# KiCad board TEST_PANEL.kicad_pcb (continued)
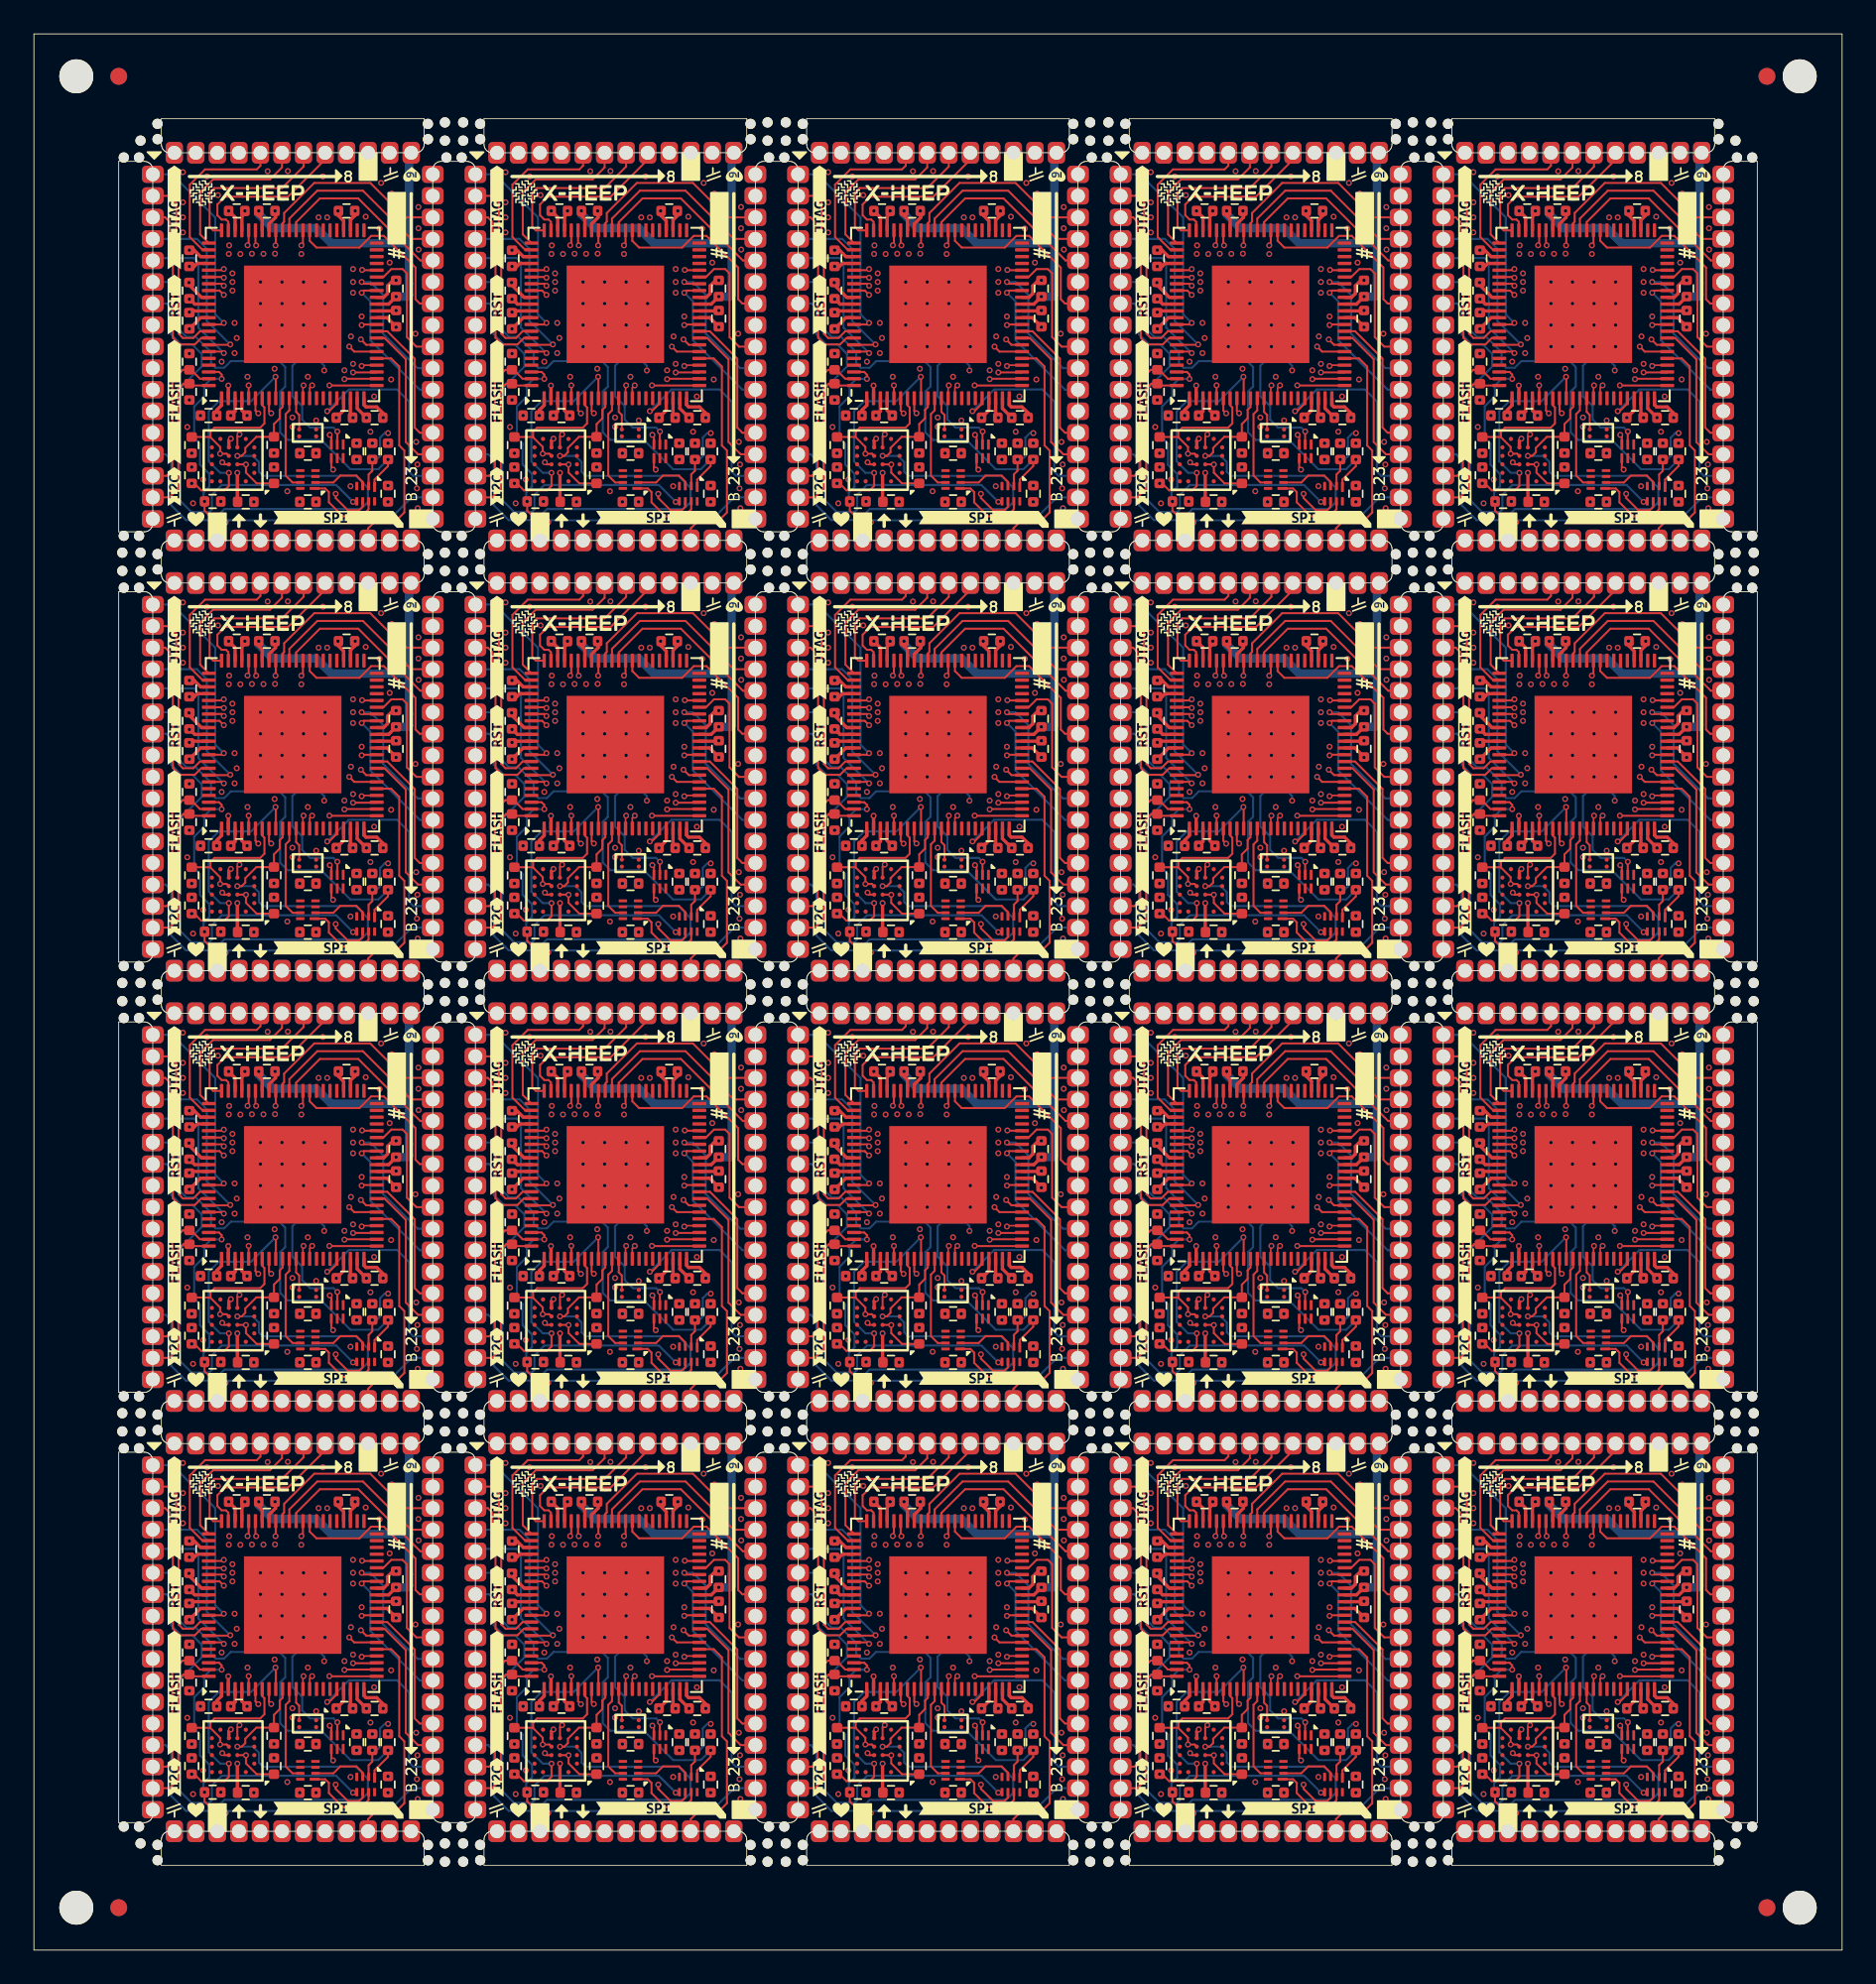
[diagram p0: board, top side]
## Routing (per net, layer and track width the routed paths; a pad name or vN(x,y) marks a point on that pad's centre or on a via; arc(x,y) is an arc through that point) (continued)
Board_15-SPI_SD2_HEEP: length 262
  Top w0.12: U81.25 39.21,93.03 v1(37.84,93.03) ; v1(94.92,16.91) 96.29,16.91 U21.25 ; v1(75.9,16.91) 77.26,16.91 U16.25 ; v1(37.84,16.91) 39.21,16.91 U6.25 ; U76.25 20.18,93.03 v1(18.82,93.03) ; v1(94.92,42.28) 96.29,42.28 U46.25 ; U36.25 58.24,42.28 v1(56.87,42.28) ; U66.25 77.26,67.66 v1(75.9,67.66) ; U11.25 58.24,16.91 v1(56.87,16.91) ; v1(37.84,42.28) 39.21,42.28 U31.25 ; U91.25 77.26,93.03 v1(75.9,93.03) ; v1(56.87,67.66) 58.24,67.66 U61.25 ; U71.25 96.29,67.66 v1(94.92,67.66) ; U96.25 96.29,93.03 v1(94.92,93.03) ; v1(18.82,42.28) 20.18,42.28 U26.25 ; v1(75.9,42.28) 77.26,42.28 U41.25 ; U86.25 58.24,93.03 v1(56.87,93.03) ; U51.25 20.18,67.66 v1(18.82,67.66) ; v1(18.82,16.91) 20.18,16.91 U1.25 ; v1(37.84,67.66) 39.21,67.66 U56.25
  In3.Cu w0.12: J15.25 93.27,58.45 94.22,59.4 95.3,59.4 95.5,59.6 95.5,64.02 95.3,64.22 95.3,66.87 94.92,67.25 v1(94.92,67.66) ; v1(94.92,93.03) 94.92,92.62 95.3,92.24 95.3,89.59 95.5,89.4 95.5,84.97 95.3,84.77 94.22,84.77 93.27,83.82 J20.25 ; J9.25 74.25,33.08 75.2,34.03 76.27,34.03 76.47,34.23 76.47,38.65 76.28,38.85 76.28,41.5 75.9,41.88 v1(75.9,42.28) ; J13.25 55.22,58.45 56.17,59.4 57.25,59.4 57.45,59.6 57.45,64.02 57.25,64.22 57.25,66.87 56.87,67.25 v1(56.87,67.66) ; v1(75.9,67.66) 75.9,67.25 76.28,66.87 76.28,64.22 76.47,64.02 76.47,59.6 76.27,59.4 75.2,59.4 74.25,58.45 J14.25 ; v1(75.9,93.03) 75.9,92.62 76.28,92.24 76.28,89.59 76.47,89.4 76.47,84.97 76.27,84.77 75.2,84.77 74.25,83.82 J19.25 ; J16.25 17.17,83.82 18.12,84.77 19.19,84.77 19.39,84.97 19.39,89.4 19.2,89.59 19.2,92.24 18.82,92.62 v1(18.82,93.03) ; J10.25 93.27,33.08 94.22,34.03 95.3,34.03 95.5,34.23 95.5,38.65 95.3,38.85 95.3,41.5 94.92,41.88 v1(94.92,42.28) ; v1(56.87,93.03) 56.87,92.62 57.25,92.24 57.25,89.59 57.45,89.4 57.45,84.97 57.25,84.77 56.17,84.77 55.22,83.82 J18.25 ; v1(56.87,42.28) 56.87,41.88 57.25,41.5 57.25,38.85 57.45,38.65 57.45,34.23 57.25,34.03 56.17,34.03 55.22,33.08 J8.25 ; J12.25 36.19,58.45 37.14,59.4 38.22,59.4 38.42,59.6 38.42,64.02 38.23,64.22 38.23,66.87 37.84,67.25 v1(37.84,67.66) ; J3.25 55.22,7.71 56.17,8.66 57.25,8.66 57.45,8.86 57.45,13.28 57.25,13.48 57.25,16.12 56.87,16.51 v1(56.87,16.91) ; J2.25 36.19,7.71 37.14,8.66 38.22,8.66 38.42,8.86 38.42,13.28 38.23,13.48 38.23,16.12 37.84,16.51 v1(37.84,16.91) ; v1(18.82,42.28) 18.82,41.88 19.2,41.5 19.2,38.85 19.39,38.65 19.39,34.23 19.19,34.03 18.12,34.03 17.17,33.08 J6.25 ; v1(94.92,16.91) 94.92,16.51 95.3,16.12 95.3,13.48 95.5,13.28 95.5,8.86 95.3,8.66 94.22,8.66 93.27,7.71 J5.25 ; v1(18.82,16.91) 18.82,16.51 19.2,16.12 19.2,13.48 19.39,13.28 19.39,8.86 19.19,8.66 18.12,8.66 17.17,7.71 J1.25 ; J7.25 36.19,33.08 37.14,34.03 38.22,34.03 38.42,34.23 38.42,38.65 38.23,38.85 38.23,41.5 37.84,41.88 v1(37.84,42.28) ; v1(18.82,67.66) 18.82,67.25 19.2,66.87 19.2,64.22 19.39,64.02 19.39,59.6 19.19,59.4 18.12,59.4 17.17,58.45 J11.25 ; v1(75.9,16.91) 75.9,16.51 76.28,16.12 76.28,13.48 76.47,13.28 76.47,8.86 76.27,8.66 75.2,8.66 74.25,7.71 J4.25 ; v1(37.84,93.03) 37.84,92.62 38.23,92.24 38.23,89.59 38.42,89.4 38.42,84.97 38.22,84.77 37.14,84.77 36.19,83.82 J17.25
Board_15-SPI_SD3_HEEP: length 263.7
  Top w0.1: U46.26 95.48,42.71 v1(95.43,42.67) ; v1(76.41,68.04) 76.45,68.08 U66.26 ; U31.26 38.4,42.71 v1(38.35,42.67) ; U41.26 76.45,42.71 v1(76.41,42.67) ; U21.26 95.48,17.34 v1(95.43,17.29) ; U96.26 95.48,93.46 v1(95.43,93.41) ; v1(57.38,68.04) 57.43,68.08 U61.26 ; v1(38.35,93.41) 38.4,93.46 U81.26 ; v1(57.38,42.67) 57.43,42.71 U36.26 ; U11.26 57.43,17.34 v1(57.38,17.29) ; v1(19.33,68.04) 19.38,68.08 U51.26 ; U76.26 19.38,93.46 v1(19.33,93.41) ; U71.26 95.48,68.08 v1(95.43,68.04) ; v1(57.38,93.41) 57.43,93.46 U86.26 ; U16.26 76.45,17.34 v1(76.41,17.29) ; U1.26 19.38,17.34 v1(19.33,17.29) ; v1(19.33,42.67) 19.38,42.71 U26.26 ; v1(38.35,68.04) 38.4,68.08 U56.26 ; v1(38.35,17.29) 38.4,17.34 U6.26 ; U91.26 76.45,93.46 v1(76.41,93.41)
  In3.Cu w0.12: J7.26 37.46,33.27 37.72,33.53 38.55,33.53 39.39,34.37 39.39,38.92 39.26,39.05 39.26,39.77 39.29,39.79 39.29,39.92 38.68,40.53 38.68,41.34 39,41.65 39,42.02 v1(38.35,42.67) ; 75.52,32.38 75.52,33.27 75.77,33.53 76.6,33.53 77.44,34.37 77.44,38.92 77.31,39.05 77.31,39.77 77.34,39.79 77.34,39.92 76.73,40.53 76.73,41.34 77.05,41.65 77.05,42.02 v1(76.41,42.67) ; v1(57.38,42.67) 58.02,42.02 58.02,41.65 57.71,41.34 57.71,40.53 58.32,39.92 58.32,39.79 58.29,39.77 58.29,39.05 58.42,38.92 58.42,34.37 57.57,33.53 56.75,33.53 56.49,33.27 J8.26 ; J3.26 56.49,7.9 56.75,8.16 57.57,8.16 58.42,9 58.42,13.55 58.29,13.67 58.29,14.4 58.32,14.42 58.32,14.55 57.71,15.16 57.71,15.97 58.02,16.28 58.02,16.65 v1(57.38,17.29) ; v1(38.35,68.04) 39,67.39 39,67.02 38.68,66.71 38.68,65.9 39.29,65.29 39.29,65.17 39.26,65.14 39.26,64.42 39.39,64.29 39.39,59.74 38.55,58.9 37.72,58.9 37.46,58.64 J12.26 ; v1(76.41,17.29) 77.05,16.65 77.05,16.28 76.73,15.97 76.73,15.16 77.34,14.55 77.34,14.42 77.31,14.4 77.31,13.67 77.44,13.55 77.44,9 76.6,8.16 75.77,8.16 75.52,7.9 75.52,7.01 ; v1(57.38,68.04) 58.02,67.39 58.02,67.02 57.71,66.71 57.71,65.9 58.32,65.29 58.32,65.17 58.29,65.14 58.29,64.42 58.42,64.29 58.42,59.74 57.57,58.9 56.75,58.9 56.49,58.64 J13.26 ; 75.52,57.75 75.52,58.64 75.77,58.9 76.6,58.9 77.44,59.74 77.44,64.29 77.31,64.42 77.31,65.14 77.34,65.17 77.34,65.29 76.73,65.9 76.73,66.71 77.05,67.02 77.05,67.39 v1(76.41,68.04) ; v1(57.38,93.41) 58.02,92.77 58.02,92.4 57.71,92.08 57.71,91.27 58.32,90.66 58.32,90.54 58.29,90.51 58.29,89.79 58.42,89.66 58.42,85.12 57.57,84.27 56.75,84.27 56.49,84.01 J18.26 ; v1(19.33,17.29) 19.97,16.65 19.97,16.28 19.65,15.97 19.65,15.16 20.26,14.55 20.26,14.42 20.24,14.4 20.24,13.67 20.36,13.55 20.36,9 19.52,8.16 18.69,8.16 18.44,7.9 18.44,7.01 ; v1(95.43,17.29) 96.07,16.65 96.07,16.28 95.76,15.97 95.76,15.16 96.37,14.55 96.37,14.42 96.34,14.4 96.34,13.67 96.47,13.55 96.47,9 95.62,8.16 94.8,8.16 94.54,7.9 J5.26 ; J20.26 94.54,84.01 94.8,84.27 95.62,84.27 96.47,85.12 96.47,89.66 96.34,89.79 96.34,90.51 96.37,90.54 96.37,90.66 95.76,91.27 95.76,92.08 96.07,92.4 96.07,92.77 v1(95.43,93.41) ; v1(38.35,93.41) 39,92.77 39,92.4 38.68,92.08 38.68,91.27 39.29,90.66 39.29,90.54 39.26,90.51 39.26,89.79 39.39,89.66 39.39,85.12 38.55,84.27 37.72,84.27 37.46,84.01 J17.26 ; J15.26 94.54,58.64 94.8,58.9 95.62,58.9 96.47,59.74 96.47,64.29 96.34,64.42 96.34,65.14 96.37,65.17 96.37,65.29 95.76,65.9 95.76,66.71 96.07,67.02 96.07,67.39 v1(95.43,68.04) ; J10.26 94.54,33.27 94.8,33.53 95.62,33.53 96.47,34.37 96.47,38.92 96.34,39.05 96.34,39.77 96.37,39.79 96.37,39.92 95.76,40.53 95.76,41.34 96.07,41.65 96.07,42.02 v1(95.43,42.67) ; 18.44,32.38 18.44,33.27 18.69,33.53 19.52,33.53 20.36,34.37 20.36,38.92 20.24,39.05 20.24,39.77 20.26,39.79 20.26,39.92 19.65,40.53 19.65,41.34 19.97,41.65 19.97,42.02 v1(19.33,42.67) ; 18.44,57.75 18.44,58.64 18.69,58.9 19.52,58.9 20.36,59.74 20.36,64.29 20.24,64.42 20.24,65.14 20.26,65.17 20.26,65.29 19.65,65.9 19.65,66.71 19.97,67.02 19.97,67.39 v1(19.33,68.04) ; v1(76.41,93.41) 77.05,92.77 77.05,92.4 76.73,92.08 76.73,91.27 77.34,90.66 77.34,90.54 77.31,90.51 77.31,89.79 77.44,89.66 77.44,85.12 76.6,84.27 75.77,84.27 75.52,84.01 75.52,83.12 ; v1(19.33,93.41) 19.97,92.77 19.97,92.4 19.65,92.08 19.65,91.27 20.26,90.66 20.26,90.54 20.24,90.51 20.24,89.79 20.36,89.66 20.36,85.12 19.52,84.27 18.69,84.27 18.44,84.01 18.44,83.12 ; J2.26 37.46,7.9 37.72,8.16 38.55,8.16 39.39,9 39.39,13.55 39.26,13.67 39.26,14.4 39.29,14.42 39.29,14.55 38.68,15.16 38.68,15.97 39,16.28 39,16.65 v1(38.35,17.29)
Board_15-UART_RX_HEEP: length 229.9
  Top w0.1: U31.13 34.89,41.49 v1(34.92,41.52) ; v1(34.92,66.89) 34.89,66.86 U56.13 ; v1(15.9,41.52) 15.86,41.49 U26.13 ; v1(15.9,92.26) 15.86,92.23 U76.13 ; v1(53.95,16.15) 53.91,16.12 U11.13 ; U66.13 72.94,66.86 v1(72.98,66.89) ; U16.13 72.94,16.12 v1(72.98,16.15) ; U96.13 91.97,92.23 v1(92,92.26) ; U1.13 15.86,16.12 v1(15.9,16.15) ; U46.13 91.97,41.49 v1(92,41.52) ; U81.13 34.89,92.23 v1(34.92,92.26) ; U71.13 91.97,66.86 v1(92,66.89) ; v1(53.95,66.89) 53.91,66.86 U61.13 ; v1(92,16.15) 91.97,16.12 U21.13 ; U36.13 53.91,41.49 v1(53.95,41.52) ; v1(72.98,92.26) 72.94,92.23 U91.13 ; U6.13 34.89,16.12 v1(34.92,16.15) ; v1(15.9,66.89) 15.86,66.86 U51.13 ; U86.13 53.91,92.23 v1(53.95,92.26) ; v1(72.98,41.52) 72.94,41.49 U41.13
  In3.Cu w0.12: v1(15.9,66.89) 15.67,66.66 15.67,63.95 14.97,63.25 14.97,61.51 13.57,60.11 13.57,59.72 12.09,58.24 J11.21 ; v1(15.9,16.15) 15.67,15.92 15.67,13.21 14.97,12.51 14.97,10.77 13.57,9.37 13.57,8.98 12.09,7.5 J1.21 ; v1(34.92,66.89) 34.69,66.66 34.69,63.95 34,63.25 34,61.51 32.59,60.11 32.59,59.72 31.11,58.24 J12.21 ; J19.21 69.17,83.61 70.65,85.1 70.65,85.48 72.05,86.88 72.05,88.62 72.75,89.32 72.75,92.04 v1(72.98,92.26) ; v1(72.98,41.52) 72.75,41.29 72.75,38.58 72.05,37.88 72.05,36.14 70.65,34.74 70.65,34.35 69.17,32.87 J9.21 ; J14.21 69.17,58.24 70.65,59.72 70.65,60.11 72.05,61.51 72.05,63.25 72.75,63.95 72.75,66.66 v1(72.98,66.89) ; J18.21 50.14,83.61 51.62,85.1 51.62,85.48 53.02,86.88 53.02,88.62 53.72,89.32 53.72,92.04 v1(53.95,92.26) ; J4.21 69.17,7.5 70.65,8.98 70.65,9.37 72.05,10.77 72.05,12.51 72.75,13.21 72.75,15.92 v1(72.98,16.15) ; J8.21 50.14,32.87 51.62,34.35 51.62,34.74 53.02,36.14 53.02,37.88 53.72,38.58 53.72,41.29 v1(53.95,41.52) ; v1(92,16.15) 91.77,15.92 91.77,13.21 91.07,12.51 91.07,10.77 89.67,9.37 89.67,8.98 88.19,7.5 J5.21 ; v1(34.92,41.52) 34.69,41.29 34.69,38.58 34,37.88 34,36.14 32.59,34.74 32.59,34.35 31.11,32.87 J7.21 ; J2.21 31.11,7.5 32.59,8.98 32.59,9.37 34,10.77 34,12.51 34.69,13.21 34.69,15.92 v1(34.92,16.15) ; J3.21 50.14,7.5 51.62,8.98 51.62,9.37 53.02,10.77 53.02,12.51 53.72,13.21 53.72,15.92 v1(53.95,16.15) ; J17.21 31.11,83.61 32.59,85.1 32.59,85.48 34,86.88 34,88.62 34.69,89.32 34.69,92.04 v1(34.92,92.26) ; J13.21 50.14,58.24 51.62,59.72 51.62,60.11 53.02,61.51 53.02,63.25 53.72,63.95 53.72,66.66 v1(53.95,66.89) ; v1(15.9,92.26) 15.67,92.04 15.67,89.32 14.97,88.62 14.97,86.88 13.57,85.48 13.57,85.1 12.09,83.61 J16.21 ; J15.21 88.19,58.24 89.67,59.72 89.67,60.11 91.07,61.51 91.07,63.25 91.77,63.95 91.77,66.66 v1(92,66.89) ; v1(92,41.52) 91.77,41.29 91.77,38.58 91.07,37.88 91.07,36.14 89.67,34.74 89.67,34.35 88.19,32.87 J10.21 ; v1(92,92.26) 91.77,92.04 91.77,89.32 91.07,88.62 91.07,86.88 89.67,85.48 89.67,85.1 88.19,83.61 J20.21 ; v1(15.9,41.52) 15.67,41.29 15.67,38.58 14.97,37.88 14.97,36.14 13.57,34.74 13.57,34.35 12.09,32.87 J6.21
Board_15-UART_TX_HEEP: length 224.5
  Top w0.1: U71.14 92.37,66.75 v1(92.51,66.89) ; v1(92.51,41.52) 92.37,41.38 U46.14 ; v1(54.46,92.26) 54.31,92.12 U86.14 ; v1(35.43,16.15) 35.29,16.01 U6.14 ; U11.14 54.31,16.01 v1(54.46,16.15) ; U56.14 35.29,66.75 v1(35.43,66.89) ; U81.14 35.29,92.12 v1(35.43,92.26) ; v1(73.48,66.89) 73.34,66.75 U66.14 ; U21.14 92.37,16.01 v1(92.51,16.15) ; v1(73.48,16.15) 73.34,16.01 U16.14 ; v1(35.43,41.52) 35.29,41.38 U31.14 ; U61.14 54.31,66.75 v1(54.46,66.89) ; v1(16.41,66.89) 16.26,66.75 U51.14 ; v1(73.48,41.52) 73.34,41.38 U41.14 ; v1(54.46,41.52) 54.31,41.38 U36.14 ; U76.14 16.26,92.12 v1(16.41,92.26) ; U1.14 16.26,16.01 v1(16.41,16.15) ; v1(92.51,92.26) 92.37,92.12 U96.14 ; U91.14 73.34,92.12 v1(73.48,92.26) ; v1(16.41,41.52) 16.26,41.38 U26.14
  In3.Cu w0.12: v1(35.43,66.89) 35.27,66.73 35.27,61.42 32.38,58.54 J12.22 ; J18.22 51.41,83.91 54.3,86.8 54.3,92.1 v1(54.46,92.26) ; J17.22 32.38,83.91 35.27,86.8 35.27,92.1 v1(35.43,92.26) ; v1(54.46,41.52) 54.3,41.36 54.3,36.05 51.41,33.17 J8.22 ; J10.22 89.46,33.17 92.35,36.05 92.35,41.36 v1(92.51,41.52) ; v1(73.48,66.89) 73.32,66.73 73.32,61.42 70.44,58.54 J14.22 ; J19.22 70.44,83.91 73.32,86.8 73.32,92.1 v1(73.48,92.26) ; v1(92.51,16.15) 92.35,15.99 92.35,10.68 89.46,7.8 J5.22 ; 13.36,32.38 13.36,33.17 16.24,36.05 16.24,41.36 v1(16.41,41.52) ; v1(16.41,92.26) 16.24,92.1 16.24,86.8 13.36,83.91 13.36,83.12 ; J20.22 89.46,83.91 92.35,86.8 92.35,92.1 v1(92.51,92.26) ; J4.22 70.44,7.8 73.32,10.68 73.32,15.99 v1(73.48,16.15) ; v1(16.41,16.15) 16.24,15.99 16.24,10.68 13.36,7.8 13.36,7.01 ; J3.22 51.41,7.8 54.3,10.68 54.3,15.99 v1(54.46,16.15) ; v1(35.43,41.52) 35.27,41.36 35.27,36.05 32.38,33.17 J7.22 ; v1(92.51,66.89) 92.35,66.73 92.35,61.42 89.46,58.54 J15.22 ; v1(35.43,16.15) 35.27,15.99 35.27,10.68 32.38,7.8 J2.22 ; J13.22 51.41,58.54 54.3,61.42 54.3,66.73 v1(54.46,66.89) ; J9.22 70.44,33.17 73.32,36.05 73.32,41.36 v1(73.48,41.52) ; v1(16.41,66.89) 16.24,66.73 16.24,61.42 13.36,58.54 13.36,57.75
Board_15-VCORE: length 1263.3
  Top w0.2: v1(28.19,23.16) 28.47,23.16 28.65,23.34 U6.70 ; v1(70.34,26.44) 70.34,26.16 70.54,25.95 U16.60 ; C61.2 66.56,20.94 U16.76 ; U76.21 19.06,90.91 v1(19.61,90.36) ; U76.70 9.63,99.46 9.45,99.28 v1(9.17,99.28) ; U51.1 11.06,65.72 10.78,65.44 v1(10.78,65.12) ; U96.21 95.17,90.91 v1(95.71,90.36) ; U46.70 85.73,48.71 85.55,48.54 v1(85.27,48.54) ; U96.35 97.02,97.06 v1(97.46,97.5) ; U81.35 39.94,97.06 v1(40.38,97.5) ; v1(28.19,73.91) 28.47,73.91 28.65,74.08 U56.70 ; v1(13.26,77.18) 13.26,76.9 13.46,76.69 U51.60 ; v1(66.25,99.28) 66.53,99.28 66.7,99.46 U91.70 ; v1(78.44,21.39) 77.99,20.94 U16.35 ; v1(29.81,65.12) 29.81,65.44 30.09,65.72 U56.1 ; U6.76 28.51,20.94 C27.2 ; U81.21 38.09,90.91 v1(38.63,90.36) ; U36.76 47.54,46.31 C129.2 ; U96.1 87.17,91.09 86.88,90.81 v1(86.88,90.49) ; U31.21 38.09,40.16 v1(38.63,39.62) ; U46.60 89.57,51.32 89.36,51.53 v1(89.36,51.81) ; U56.60 32.49,76.69 32.28,76.9 v1(32.28,77.18) ; U41.1 68.14,40.35 67.86,40.06 v1(67.86,39.74) ; v1(21.36,97.5) 20.91,97.06 U76.35 ; U26.21 19.06,40.16 v1(19.61,39.62) ; U11.70 47.68,23.34 47.5,23.16 v1(47.22,23.16) ; U36.70 47.68,48.71 47.5,48.54 v1(47.22,48.54) ; C44.2 47.54,20.94 U11.76 ; U66.35 77.99,71.68 v1(78.44,72.13) ; v1(89.36,102.55) 89.36,102.27 89.57,102.07 U96.60 ; C10.2 9.48,20.94 U1.76 ; U41.35 77.99,46.31 v1(78.44,46.76) ; v1(40.38,21.39) 39.94,20.94 U6.35 ; U31.60 32.49,51.32 32.28,51.53 v1(32.28,51.81) ; v1(70.34,77.18) 70.34,76.9 70.54,76.69 U66.60 ; U91.21 76.14,90.91 v1(76.69,90.36) ; v1(97.46,21.39) 97.02,20.94 U21.35 ; U51.21 19.06,65.53 v1(19.61,64.99) ; U21.1 87.17,14.98 86.88,14.69 v1(86.88,14.37) ; v1(51.31,26.44) 51.31,26.16 51.51,25.95 U11.60 ; C146.2 66.56,46.31 U41.76 ; U91.1 68.14,91.09 67.86,90.81 v1(67.86,90.49) ; v1(66.25,23.16) 66.53,23.16 66.7,23.34 U16.70 ; v1(97.46,72.13) 97.02,71.68 U71.35 ; v1(95.71,39.62) 95.17,40.16 U46.21 ; v1(32.28,102.55) 32.28,102.27 32.49,102.07 U81.60 ; C197.2 28.51,71.68 U56.76 ; C214.2 47.54,71.68 U61.76 ; v1(40.38,72.13) 39.94,71.68 U56.35 ; v1(10.78,14.37) 10.78,14.69 11.06,14.98 U1.1 ; U76.1 11.06,91.09 10.78,90.81 v1(10.78,90.49) ; U36.21 57.12,40.16 v1(57.66,39.62) ; v1(48.83,65.12) 48.83,65.44 49.12,65.72 U61.1 ; U6.60 32.49,25.95 32.28,26.16 v1(32.28,26.44) ; U6.21 38.09,14.79 v1(38.63,14.25) ; U96.76 85.59,97.06 C333.2 ; U31.76 28.51,46.31 C112.2 ; v1(57.66,64.99) 57.12,65.53 U61.21 ; v1(9.17,23.16) 9.45,23.16 9.63,23.34 U1.70 ; U16.21 76.14,14.79 v1(76.69,14.25) ; U86.60 51.51,102.07 51.31,102.27 v1(51.31,102.55) ; v1(76.69,39.62) 76.14,40.16 U41.21 ; U76.76 9.48,97.06 C265.2 ; U26.70 9.63,48.71 9.45,48.54 v1(9.17,48.54) ; U1.60 13.46,25.95 13.26,26.16 v1(13.26,26.44) ; v1(48.83,90.49) 48.83,90.81 49.12,91.09 U86.1 ; U31.1 30.09,40.35 29.81,40.06 v1(29.81,39.74) ; U41.70 66.7,48.71 66.53,48.54 v1(66.25,48.54) ; v1(89.36,77.18) 89.36,76.9 89.57,76.69 U71.60 ; v1(66.25,73.91) 66.53,73.91 66.7,74.08 U66.70 ; U66.21 76.14,65.53 v1(76.69,64.99) ; v1(21.36,46.76) 20.91,46.31 U26.35 ; U36.35 58.97,46.31 v1(59.41,46.76) ; U21.21 95.17,14.79 v1(95.71,14.25) ; U61.35 58.97,71.68 v1(59.41,72.13) ; U11.35 58.97,20.94 v1(59.41,21.39) ; v1(67.86,14.37) 67.86,14.69 68.14,14.98 U16.1 ; U31.35 39.94,46.31 v1(40.38,46.76) ; U71.21 95.17,65.53 v1(95.71,64.99) ; U91.35 77.99,97.06 v1(78.44,97.5) ; v1(21.36,72.13) 20.91,71.68 U51.35 ; U26.1 11.06,40.35 10.78,40.06 v1(10.78,39.74) ; U1.35 20.91,20.94 v1(21.36,21.39) ; v1(13.26,102.55) 13.26,102.27 13.46,102.07 U76.60 ; U21.70 85.73,23.34 85.55,23.16 v1(85.27,23.16) ; U86.21 57.12,90.91 v1(57.66,90.36) ; U11.1 49.12,14.98 48.83,14.69 v1(48.83,14.37) ; C299.2 47.54,97.06 U86.76 ; U66.1 68.14,65.72 67.86,65.44 v1(67.86,65.12) ; v1(9.17,73.91) 9.45,73.91 9.63,74.08 U51.70 ; v1(85.27,73.91) 85.55,73.91 85.73,74.08 U71.70 ; U26.60 13.46,51.32 13.26,51.53 v1(13.26,51.81) ; U61.60 51.51,76.69 51.31,76.9 v1(51.31,77.18) ; U36.1 49.12,40.35 48.83,40.06 v1(48.83,39.74) ; U86.35 58.97,97.06 v1(59.41,97.5) ; U96.70 85.73,99.46 85.55,99.28 v1(85.27,99.28) ; v1(28.19,99.28) 28.47,99.28 28.65,99.46 U81.70 ; U71.1 87.17,65.72 86.88,65.44 v1(86.88,65.12) ; U26.76 9.48,46.31 C95.2 ; U21.60 89.57,25.95 89.36,26.16 v1(89.36,26.44) ; U66.76 66.56,71.68 C231.2 ; C316.2 66.56,97.06 U91.76 ; v1(29.81,14.37) 29.81,14.69 30.09,14.98 U6.1 ; C282.2 28.51,97.06 U81.76 ; v1(38.63,64.99) 38.09,65.53 U56.21 ; U46.1 87.17,40.35 86.88,40.06 v1(86.88,39.74) ; U71.76 85.59,71.68 C248.2 ; v1(51.31,51.81) 51.31,51.53 51.51,51.32 U36.60 ; v1(97.46,46.76) 97.02,46.31 U46.35 ; U21.76 85.59,20.94 C78.2 ; v1(70.34,102.55) 70.34,102.27 70.54,102.07 U91.60 ; v1(47.22,99.28) 47.5,99.28 47.68,99.46 U86.70 ; v1(28.19,48.54) 28.47,48.54 28.65,48.71 U31.70 ; U1.21 19.06,14.79 v1(19.61,14.25) ; U61.70 47.68,74.08 47.5,73.91 v1(47.22,73.91) ; C180.2 9.48,71.68 U51.76 ; U81.1 30.09,91.09 29.81,90.81 v1(29.81,90.49) ; U46.76 85.59,46.31 C163.2 ; U41.60 70.54,51.32 70.34,51.53 v1(70.34,51.81) ; U11.21 57.12,14.79 v1(57.66,14.25)
  In2.Cu w0.5: 86.16,71.59 86.16,73.41 ; 86.16,71.59 86.16,66.69 86.89,65.95 86.89,64.75 86.16,64.01 86.16,62.08 87.94,60.3 87.94,59.92 87.46,59.44 86.41,59.44 85.65,58.68 85.65,58.2 ; 86.16,71.59 85.78,71.97 v1(85.27,71.97) ; 86.16,73.41 86.16,75.21 87.17,76.22 89,76.22 89.36,76.59 v1(89.36,77.18) ; 86.16,73.41 85.67,73.91 v1(85.27,73.91) ; v1(66.25,46.6) 66.75,46.6 67.13,46.22 ; 29.08,46.22 29.08,48.04 ; 29.08,46.22 28.7,46.6 v1(28.19,46.6) ; 29.08,46.22 29.08,41.32 29.82,40.58 29.82,39.37 29.08,38.64 29.08,36.71 30.86,34.93 30.86,34.55 30.38,34.07 29.33,34.07 28.57,33.31 28.57,32.83 ; 29.08,48.04 28.59,48.54 v1(28.19,48.54) ; 29.08,48.04 29.08,49.84 30.09,50.85 31.92,50.85 32.28,51.22 v1(32.28,51.81) ; v1(13.26,51.81) 13.26,51.22 12.89,50.85 11.07,50.85 10.06,49.84 10.06,48.04 ; 29.08,22.67 29.08,24.47 30.09,25.48 31.92,25.48 32.28,25.85 v1(32.28,26.44) ; 29.08,22.67 28.59,23.16 v1(28.19,23.16) ; 29.08,22.67 29.08,20.85 ; 86.16,20.85 86.16,22.67 ; 86.16,20.85 86.16,15.95 86.89,15.21 86.89,14 86.16,13.27 86.16,11.34 87.94,9.56 87.94,9.18 87.46,8.7 86.41,8.7 85.65,7.94 85.65,7.46 ; 86.16,20.85 85.78,21.23 v1(85.27,21.23) ; 86.16,22.67 85.67,23.16 v1(85.27,23.16) ; 86.16,22.67 86.16,24.47 87.17,25.48 89,25.48 89.36,25.85 v1(89.36,26.44) ; v1(21.36,21.39) 20.88,21.39 20.34,20.85 20.34,19.5 22.07,17.77 22.07,15.86 21.08,14.87 20.05,14.87 19.61,14.42 v1(19.61,14.25) ; v1(70.34,26.44) 70.34,25.85 69.97,25.48 68.15,25.48 67.13,24.47 67.13,22.67 ; 10.06,46.22 10.06,41.32 10.79,40.58 10.79,39.37 10.06,38.64 10.06,36.71 11.83,34.93 11.83,34.55 11.35,34.07 10.31,34.07 9.55,33.31 9.55,32.83 ; 10.06,46.22 9.67,46.6 v1(9.17,46.6) ; 10.06,46.22 10.06,48.04 ; 67.13,20.85 66.75,21.23 v1(66.25,21.23) ; 67.13,20.85 67.13,22.67 ; 67.13,20.85 67.13,15.95 67.87,15.21 67.87,14 67.13,13.27 67.13,11.34 68.91,9.56 68.91,9.18 68.43,8.7 67.39,8.7 66.63,7.94 66.63,7.46 ; 10.06,20.85 10.06,22.67 ; 10.06,20.85 9.67,21.23 v1(9.17,21.23) ; 10.06,20.85 10.06,15.95 10.79,15.21 10.79,14 10.06,13.27 10.06,11.34 11.83,9.56 11.83,9.18 11.35,8.7 10.31,8.7 9.55,7.94 9.55,7.46 ; 10.06,22.67 9.56,23.16 v1(9.17,23.16) ; 10.06,22.67 10.06,24.47 11.07,25.48 12.89,25.48 13.26,25.85 v1(13.26,26.44) ; v1(40.38,46.76) 39.91,46.76 39.37,46.22 39.37,44.87 41.09,43.14 41.09,41.23 40.1,40.24 39.08,40.24 38.63,39.79 v1(38.63,39.62) ; v1(66.25,73.91) 66.64,73.91 67.13,73.41 ; 48.11,46.22 48.11,41.32 48.84,40.58 48.84,39.37 48.11,38.64 48.11,36.71 49.89,34.93 49.89,34.55 49.41,34.07 48.36,34.07 47.6,33.31 47.6,32.83 ; 48.11,46.22 48.11,48.04 ; 48.11,46.22 47.73,46.6 v1(47.22,46.6) ; 86.16,48.04 85.67,48.54 v1(85.27,48.54) ; 86.16,48.04 86.16,46.22 ; 86.16,48.04 86.16,49.84 87.17,50.85 89,50.85 89.36,51.22 v1(89.36,51.81) ; 48.11,71.59 48.11,66.69 48.84,65.95 48.84,64.75 48.11,64.01 48.11,62.08 49.89,60.3 49.89,59.92 49.41,59.44 48.36,59.44 47.6,58.68 47.6,58.2 ; 48.11,71.59 48.11,73.41 ; 48.11,71.59 47.73,71.97 v1(47.22,71.97) ; v1(51.31,102.55) 51.31,101.96 50.95,101.6 49.12,101.6 48.11,100.58 48.11,98.78 ; 86.16,96.96 86.16,92.06 86.89,91.33 86.89,90.12 86.16,89.38 86.16,87.45 87.94,85.67 87.94,85.29 87.46,84.81 86.41,84.81 85.65,84.05 85.65,83.57 ; 86.16,96.96 85.78,97.34 v1(85.27,97.34) ; 86.16,96.96 86.16,98.78 ; v1(76.69,64.99) 76.69,65.16 77.13,65.61 78.16,65.61 79.15,66.6 79.15,68.51 77.42,70.24 77.42,71.59 77.96,72.13 v1(78.44,72.13) ; 67.13,98.78 66.64,99.28 v1(66.25,99.28) ; 67.13,98.78 67.13,96.96 ; 67.13,98.78 67.13,100.58 68.15,101.6 69.97,101.6 70.34,101.96 v1(70.34,102.55) ; 67.13,22.67 66.64,23.16 v1(66.25,23.16) ; 67.13,48.04 66.64,48.54 v1(66.25,48.54) ; 67.13,48.04 67.13,46.22 ; 67.13,48.04 67.13,49.84 68.15,50.85 69.97,50.85 70.34,51.22 v1(70.34,51.81) ; v1(9.17,73.91) 9.56,73.91 10.06,73.41 ; 86.16,46.22 86.16,41.32 86.89,40.58 86.89,39.37 86.16,38.64 86.16,36.71 87.94,34.93 87.94,34.55 87.46,34.07 86.41,34.07 85.65,33.31 85.65,32.83 ; 86.16,46.22 85.78,46.6 v1(85.27,46.6) ; v1(47.22,48.54) 47.61,48.54 48.11,48.04 ; v1(66.25,71.97) 66.75,71.97 67.13,71.59 ; 10.06,71.59 10.06,73.41 ; 10.06,71.59 9.67,71.97 v1(9.17,71.97) ; 10.06,71.59 10.06,66.69 10.79,65.95 10.79,64.75 10.06,64.01 10.06,62.08 11.83,60.3 11.83,59.92 11.35,59.44 10.31,59.44 9.55,58.68 9.55,58.2 ; 10.06,73.41 10.06,75.21 11.07,76.22 12.89,76.22 13.26,76.59 v1(13.26,77.18) ; 67.13,96.96 67.13,92.06 67.87,91.33 67.87,90.12 67.13,89.38 67.13,87.45 68.91,85.67 68.91,85.29 68.43,84.81 67.39,84.81 66.63,84.05 66.63,83.57 ; 67.13,96.96 66.75,97.34 v1(66.25,97.34) ; 29.08,20.85 29.08,15.95 29.82,15.21 29.82,14 29.08,13.27 29.08,11.34 30.86,9.56 30.86,9.18 30.38,8.7 29.33,8.7 28.57,7.94 28.57,7.46 ; 29.08,20.85 28.7,21.23 v1(28.19,21.23) ; v1(57.66,90.36) 57.66,90.54 58.1,90.98 59.13,90.98 60.12,91.97 60.12,93.89 58.4,95.61 58.4,96.96 58.93,97.5 v1(59.41,97.5) ; v1(76.69,90.36) 76.69,90.54 77.13,90.98 78.16,90.98 79.15,91.97 79.15,93.89 77.42,95.61 77.42,96.96 77.96,97.5 v1(78.44,97.5) ; 47.6,83.57 47.6,84.05 48.36,84.81 49.41,84.81 49.89,85.29 49.89,85.67 48.11,87.45 48.11,89.38 48.84,90.12 48.84,91.33 48.11,92.06 48.11,96.96 ; 48.11,22.67 48.11,24.47 49.12,25.48 50.95,25.48 51.31,25.85 v1(51.31,26.44) ; 48.11,22.67 47.61,23.16 v1(47.22,23.16) ; 48.11,22.67 48.11,20.85 ; v1(13.26,102.55) 13.26,101.96 12.89,101.6 11.07,101.6 10.06,100.58 10.06,98.78 ; v1(40.38,97.5) 39.91,97.5 39.37,96.96 39.37,95.61 41.09,93.89 41.09,91.97 40.1,90.98 39.08,90.98 38.63,90.54 v1(38.63,90.36) ; v1(28.19,71.97) 28.7,71.97 29.08,71.59 ; 10.06,98.78 9.56,99.28 v1(9.17,99.28) ; 10.06,98.78 10.06,96.96 ; 67.13,71.59 67.13,66.69 67.87,65.95 67.87,64.75 67.13,64.01 67.13,62.08 68.91,60.3 68.91,59.92 68.43,59.44 67.39,59.44 66.63,58.68 66.63,58.2 ; 67.13,71.59 67.13,73.41 ; 48.11,98.78 47.61,99.28 v1(47.22,99.28) ; 48.11,98.78 48.11,96.96 ; v1(38.63,14.25) 38.63,14.42 39.08,14.87 40.1,14.87 41.09,15.86 41.09,17.77 39.37,19.5 39.37,20.85 39.91,21.39 v1(40.38,21.39) ; v1(57.66,64.99) 57.66,65.16 58.1,65.61 59.13,65.61 60.12,66.6 60.12,68.51 58.4,70.24 58.4,71.59 58.93,72.13 v1(59.41,72.13) ; v1(47.22,73.91) 47.61,73.91 48.11,73.41 ; 9.55,83.57 9.55,84.05 10.31,84.81 11.35,84.81 11.83,85.29 11.83,85.67 10.06,87.45 10.06,89.38 10.79,90.12 10.79,91.33 10.06,92.06 10.06,96.96 ; 48.11,20.85 48.11,15.95 48.84,15.21 48.84,14 48.11,13.27 48.11,11.34 49.89,9.56 49.89,9.18 49.41,8.7 48.36,8.7 47.6,7.94 47.6,7.46 ; 48.11,20.85 47.73,21.23 v1(47.22,21.23) ; v1(76.69,14.25) 76.69,14.42 77.13,14.87 78.16,14.87 79.15,15.86 79.15,17.77 77.42,19.5 77.42,20.85 77.96,21.39 v1(78.44,21.39) ; 67.13,46.22 67.13,41.32 67.87,40.58 67.87,39.37 67.13,38.64 67.13,36.71 68.91,34.93 68.91,34.55 68.43,34.07 67.39,34.07 66.63,33.31 66.63,32.83 ; v1(89.36,102.55) 89.36,101.96 89,101.6 87.17,101.6 86.16,100.58 86.16,98.78 ; v1(28.19,73.91) 28.59,73.91 29.08,73.41 ; v1(19.61,39.62) 19.61,39.79 20.05,40.24 21.08,40.24 22.07,41.23 22.07,43.14 20.34,44.87 20.34,46.22 20.88,46.76 v1(21.36,46.76) ; 10.06,48.04 9.56,48.54 v1(9.17,48.54) ; 29.08,71.59 29.08,66.69 29.82,65.95 29.82,64.75 29.08,64.01 29.08,62.08 30.86,60.3 30.86,59.92 30.38,59.44 29.33,59.44 28.57,58.68 28.57,58.2 ; 29.08,71.59 29.08,73.41 ; 10.06,96.96 9.67,97.34 v1(9.17,97.34) ; v1(95.71,64.99) 95.71,65.16 96.16,65.61 97.18,65.61 98.17,66.6 98.17,68.51 96.45,70.24 96.45,71.59 96.98,72.13 v1(97.46,72.13) ; v1(28.19,97.34) 28.7,97.34 29.08,96.96 ; v1(97.46,46.76) 96.98,46.76 96.45,46.22 96.45,44.87 98.17,43.14 98.17,41.23 97.18,40.24 96.16,40.24 95.71,39.79 v1(95.71,39.62) ; 48.11,73.41 48.11,75.21 49.12,76.22 50.95,76.22 51.31,76.59 v1(51.31,77.18) ; v1(51.31,51.81) 51.31,51.22 50.95,50.85 49.12,50.85 48.11,49.84 48.11,48.04 ; v1(19.61,90.36) 19.61,90.54 20.05,90.98 21.08,90.98 22.07,91.97 22.07,93.89 20.34,95.61 20.34,96.96 20.88,97.5 v1(21.36,97.5) ; 86.16,98.78 85.67,99.28 v1(85.27,99.28) ; v1(40.38,72.13) 39.91,72.13 39.37,71.59 39.37,70.24 41.09,68.51 41.09,66.6 40.1,65.61 39.08,65.61 38.63,65.16 v1(38.63,64.99) ; 29.08,96.96 29.08,92.06 29.82,91.33 29.82,90.12 29.08,89.38 29.08,87.45 30.86,85.67 30.86,85.29 30.38,84.81 29.33,84.81 28.57,84.05 28.57,83.57 ; 29.08,96.96 29.08,98.78 ; 29.08,98.78 28.59,99.28 v1(28.19,99.28) ; 29.08,98.78 29.08,100.58 30.09,101.6 31.92,101.6 32.28,101.96 v1(32.28,102.55) ; 48.11,96.96 47.73,97.34 v1(47.22,97.34) ; v1(97.46,97.5) 96.98,97.5 96.45,96.96 96.45,95.61 98.17,93.89 98.17,91.97 97.18,90.98 96.16,90.98 95.71,90.54 v1(95.71,90.36) ; v1(57.66,39.62) 57.66,39.79 58.1,40.24 59.13,40.24 60.12,41.23 60.12,43.14 58.4,44.87 58.4,46.22 58.93,46.76 v1(59.41,46.76) ; v1(57.66,14.25) 57.66,14.42 58.1,14.87 59.13,14.87 60.12,15.86 60.12,17.77 58.4,19.5 58.4,20.85 58.93,21.39 v1(59.41,21.39) ; v1(70.34,77.18) 70.34,76.59 69.97,76.22 68.15,76.22 67.13,75.21 67.13,73.41 ; v1(21.36,72.13) 20.88,72.13 20.34,71.59 20.34,70.24 22.07,68.51 22.07,66.6 21.08,65.61 20.05,65.61 19.61,65.16 v1(19.61,64.99) ; v1(76.69,39.62) 76.69,39.79 77.13,40.24 78.16,40.24 79.15,41.23 79.15,43.14 77.42,44.87 77.42,46.22 77.96,46.76 v1(78.44,46.76) ; v1(97.46,21.39) 96.98,21.39 96.45,20.85 96.45,19.5 98.17,17.77 98.17,15.86 97.18,14.87 96.16,14.87 95.71,14.42 v1(95.71,14.25) ; 29.08,73.41 29.08,75.21 30.09,76.22 31.92,76.22 32.28,76.59 v1(32.28,77.18)